# Allegro board A523-EVB-AXP717C-LPDDR4-4X-32X1-V1-0.brd (continued)
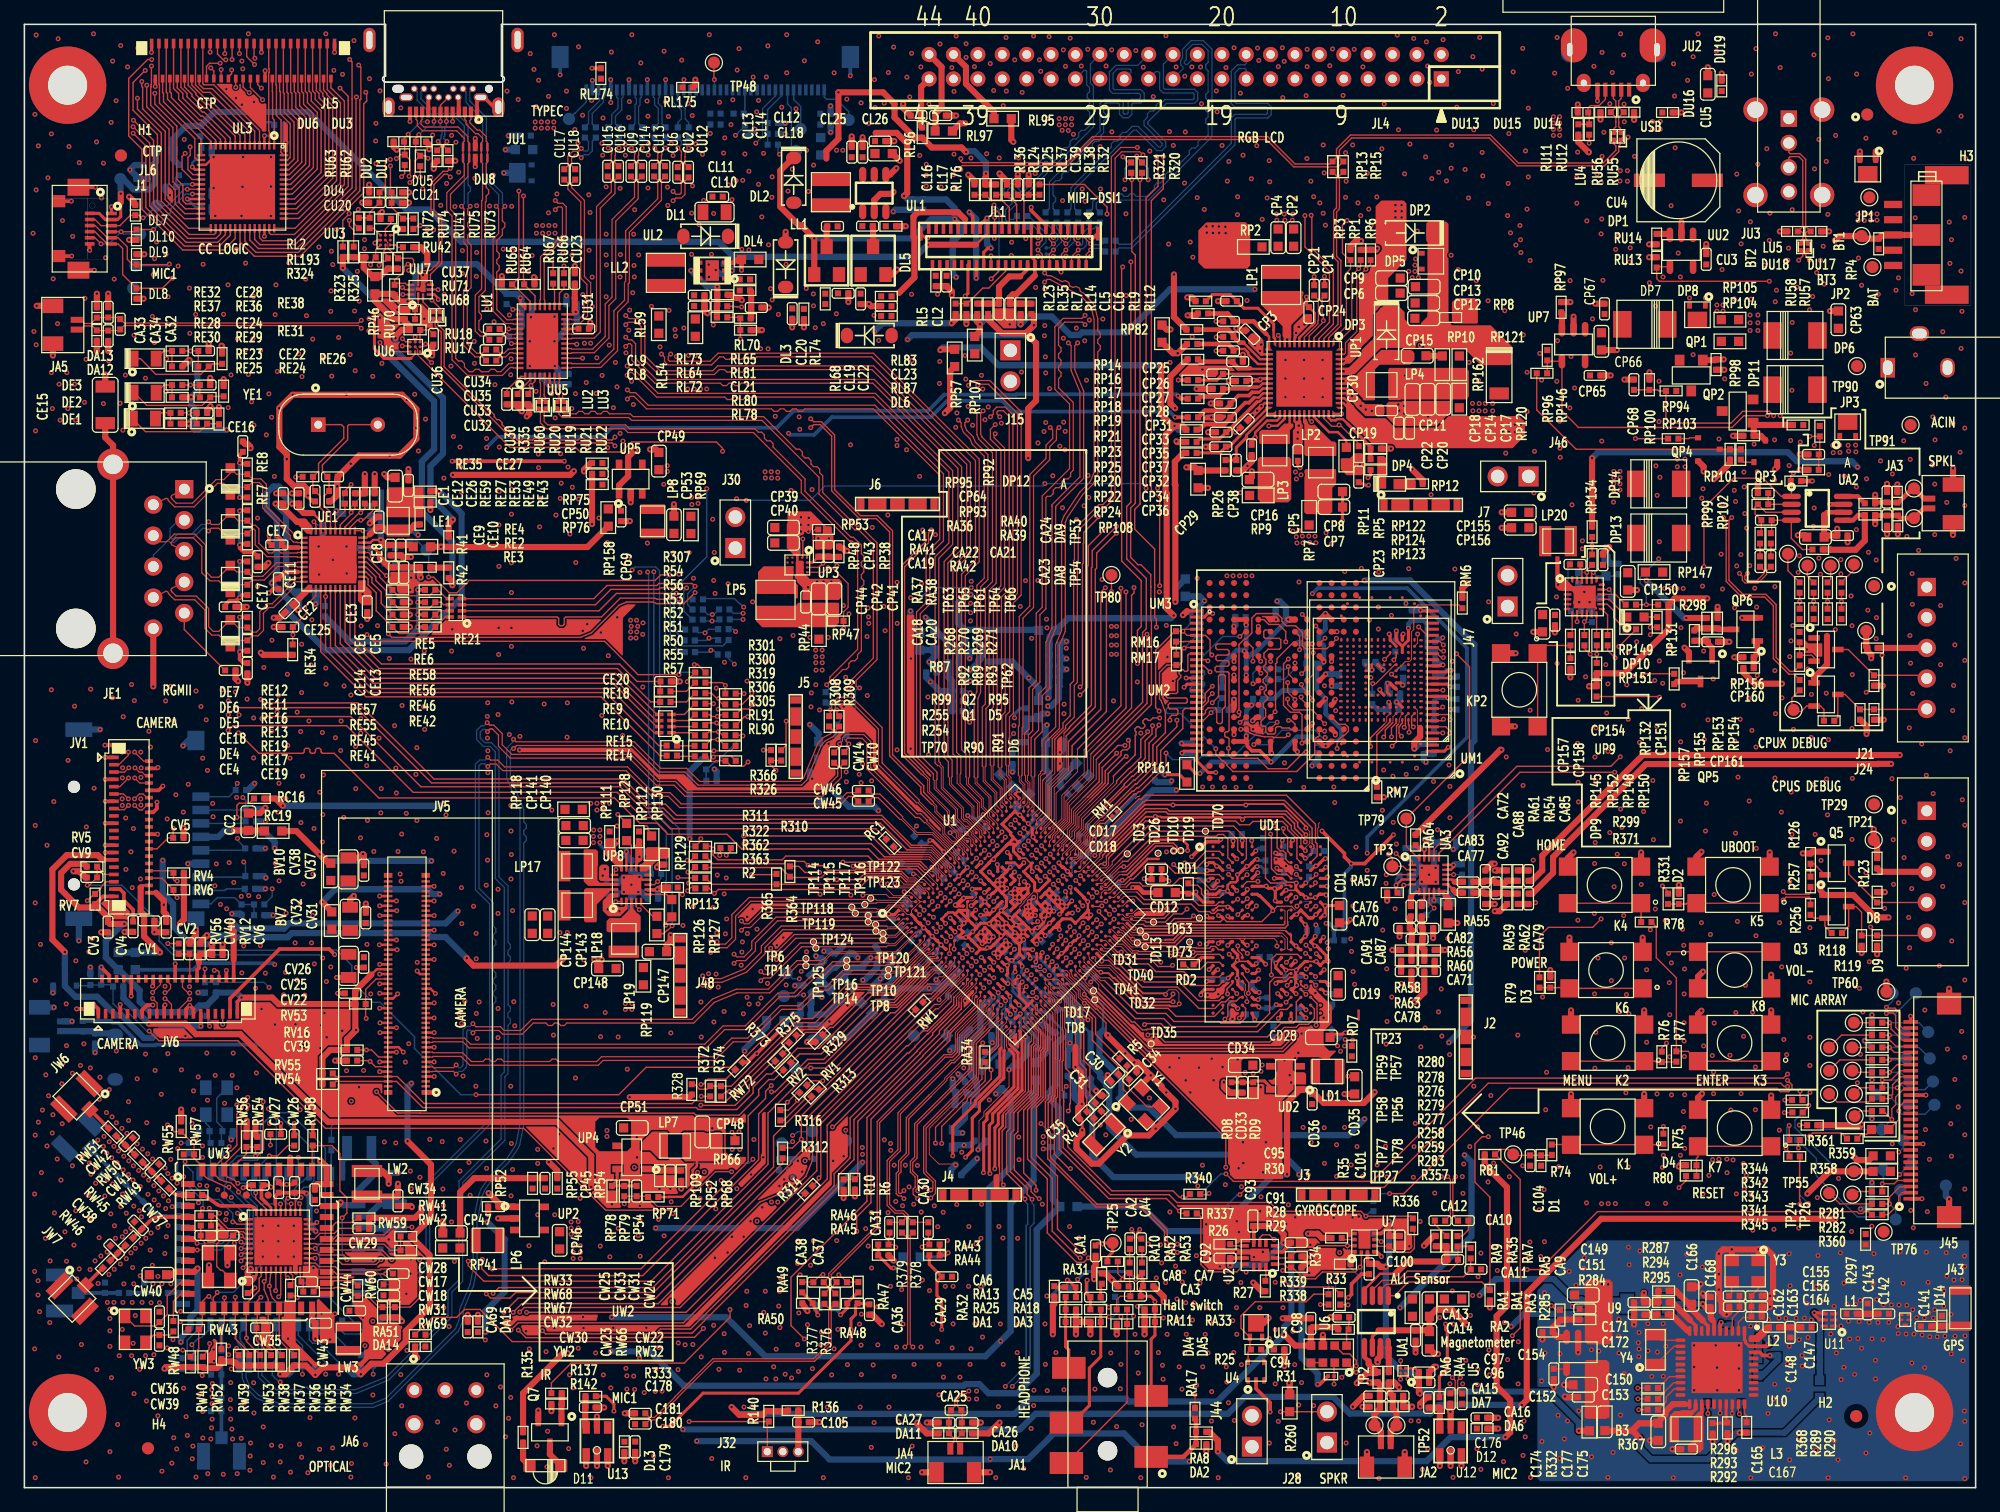
[diagram p0: board, top side]
## Routing (per net, layer and track width the routed paths; a pad name or vN(x,y) marks a point on that pad's centre or on a via; arc(x,y) is an arc through that point) (continued)
VBAT: length 12.3
  TOP w0.203: UP1.41 108.15,88.94 108.65,88.45 ; UP1.42 108.22,89.34 108.94,88.63 108.94,88.56
  BOTTOM w0.508: v1(119.32,15.76) 120.67,17.11 125.41,17.11 127.09,15.43 127.69,15.43 R370.2
  vias: v1(53.35,94.97) v1(53.39,94.43) v1(118.76,15.76) v1(121.17,87.19) v1(121.21,86.58) v1(121.71,87.18) v1(121.72,86.58) v1(122.22,87.18) v1(122.23,86.58) v1(122.73,87.19) v1(122.74,86.58) v1(150.36,104.42) v1(150.36,103.92) v1(150.87,104.42) v1(150.87,103.92) v1(151.4,104.45) v1(151.4,103.94) v1(151.91,104.45) v1(151.91,103.94)
VBUS: length 20.6
  TOP w0.203: 108.5,92.47 108.18,92.14 107.83,92.14 UP1.49 ; 108.38,92.6 108.33,92.54 UP1.50
  TOP w0.508: RP12.1 114.66,82.63 v1(113.78,83.51)
  L4 w0.508: v1(113.78,83.51) 113.78,86.8 114,87.02 114,92.2 112.74,93.46 112.74,99.24 v1(111.8,100.17)
  vias: v1(112.42,105.18) v1(112.42,104.67) v1(112.42,104.17) v1(112.93,105.18) v1(112.93,104.67) v1(112.93,104.17) v1(141.5,96.16) v1(141.5,95.53) v1(141.5,94.89) v1(142.14,96.16) v1(142.14,95.53) v1(142.14,94.89)
VCC33-18-USB: length 21.6
  TOP w0.254: v1(79.78,51.09) 79.81,51.05 U1.H18
  L4 w0.203: 78.5,54.07 78.5,53.3 79.86,51.94 79.86,51.18 v1(79.78,51.09)
  L4 w0.508: 78.5,54.07 78.09,54.47 78.09,55.69 78.3,55.9 78.3,63.43 78.82,63.95 78.82,66.29 78.07,67.04 v1(77.51,67.04)
  BOTTOM w0.508: R266.1 78.58,68.92 R16.1 78.58,68.27 78.4,68.09 78.4,67.94 C139.1 78.21,67.68 77.57,67.04 v1(77.51,67.04)
VCC33-18-USB-2: length 21.6
  TOP w0.254: v1(78.44,51.27) 78.44,51.27 U1.E16
  L4 w0.254: v1(78.44,51.27) 78.44,51.27 78.48,51.31 78.48,51.85 76.23,54.1 76.23,55.09
  L4 w0.508: v1(77.56,66.15) 78.11,65.6 78.11,64.94 76.23,63.07 76.23,55.09
  BOTTOM w0.508: R267.2 76.6,68.92 R15.2 76.62,68.51 C140.1 76.62,66.7 77.17,66.15 v1(77.56,66.15)
VCC33-EPHY: length 28.4
  TOP w0.508: RE5.1 v1(34.15,77.16) 34.78,77.16 R41.2 46.17,77.14 RP158.2
  L4 w0.508: v1(23.88,72.47) 25.43,72.47 28.55,75.59 32.59,75.59 v1(34.15,77.16)
  BOTTOM w0.508: RE1.1 23.95,72.54 v1(23.88,72.47)
VCC33-USB: length 27.8
  TOP w0.203: U1.H17 79.15,50.48 v1(79.13,50.48)
  L3 w0.508: v1(77.51,68) 75.63,68 75.35,67.72 v1(74.19,67.72)
  L4 w0.203: 75,54 75,53.82 76.34,52.48 76.63,52.48 78.63,50.48 v1(79.13,50.48)
  L4 w0.508: v1(74.19,67.72) 74.88,67.03 74.88,54.12 75,54
  BOTTOM w0.508: v1(77.51,68) 77.51,68.35 R16.2 ; RP81.2 73.87,68.68 73.89,68.7 RP33.2 74.65,68.17 v1(74.19,67.72) 74.8,67.11 C72.1
VCC-1V8: length 197.7
  TOP w0.508: v1(121.11,60.51) 121.04,60.51 114.07,53.54 RA64.1 ; 82.13,94.68 82.96,93.85 82.96,89.14 82.31,88.5 v1(82.31,84.42) ; 82.13,94.68 80.15,94.68 79.02,95.81 RL14.1 ; 82.13,94.68 v1(82.78,95.33) 82.78,96.04 RL12.1 ; v1(81.09,110.36) 80.92,110.53 RL95.2
  L3 w0.508: v1(115.4,107.35) 111.48,111.28 97.51,111.28 94.11,107.87 86.13,107.87 83.64,110.36 v1(81.09,110.36) 80.36,111.1 76.53,111.1 v1(74.17,113.46) 73.18,112.47 60.97,112.47 v1(59.89,111.4)
  L4 w0.508: v1(115.4,107.35) 116.1,106.66 116.1,97.83 116.98,96.95 116.98,86.76 116.1,85.88 116.1,75.47 121.11,70.45 v1(121.11,60.51) ; v1(72.42,94.16) 72.11,94.46 72.11,102.18 70.66,103.63 70.66,110.77 72.42,112.52 73.23,112.52 v1(74.17,113.46) ; v1(77.6,73.24) 77.59,73.25 77.41,73.25 77.08,73.57 77.08,79.2 v1(82.31,84.42)
  BOTTOM w0.508: RP67.1 83.12,70.35 R266.2 77.17,70.35 R267.1 76.56,70.9 76.56,72.54 77.25,73.24 v1(77.6,73.24) ; v1(72.42,94.16) 72.77,94.51 81.97,94.51 v1(82.78,95.33) ; v1(59.89,111.4) 59.35,110.85 RL177.2
VCC-3V3: length 524.5
  TOP w0.203: v1(45.21,96.42) 45.01,96.22 UU5.20 ; C97.1 114.04,9.78 U5.B1 ; v1(40.68,97.56) 40.68,97.07 40.88,96.87 UU5.28 ; v1(116.94,66.42) 116.74,66.42 116.72,66.4 UM3.37 ; UM1.T10 110.42,66.99 v1(110.49,67.06) UM1.U9 ; v1(111.77,65.95) 111.76,65.94 111.76,65.22 UM1.M6 ; v1(95.27,66.4) UM3.12 ; UU5.6 v1(43.07,90.4) ; 95.34,71.9 UM3.1
  TOP w0.254: v1(97.69,58.65) 97.08,58.65 96.13,59.59 UM3.24 95.06,60.4 v1(94.91,60.24)
  TOP w0.305: v1(111.77,65.95) 111.99,65.95 112.33,65.61 112.37,65.61 UM1.N5 ; 111.91,21.5 111.25,20.84 U7.7 ; 111.91,21.5 R35.2 ; 111.91,21.5 v1(111.91,21.83) ; U7.3 110.13,18.49 C100.1 ; U2.12 103.15,19.33 103.86,20.04 C91.1 ; C92.1 98.88,18.83 U2.5 ; U2.8 100.8,21.38 C93.1
  TOP w0.381: v1(102.27,60.23) 102.18,60.32 UM2.D8 ; v1(100.18,66.63) UM2.J10 ; v1(106.71,66.71) UM2.J4
  TOP w0.508: v1(57.99,6.6) 58.62,5.97 60.53,5.97 60.83,6.27 R140.2 62.56,6.27 R136.2 ; R41.1 34.79,79.04 v1(35.14,79.39) ; CU23.2 45.13,97.57 45.12,97.56 45.12,96.51 v1(45.21,96.42) ; R367.2 v1(127.46,4.66) ; R30.2 107.73,13.06 107.63,13.16 105.61,13.16 C98.1 105.49,11.67 U6.5 104.2,11.65 v1(103.3,12.56) ; v1(30.43,94.26) 30.43,94.44 30.93,94.94 RU68.2 31.61,95.24 31.18,95.66 RU71.1 30.24,95.82 28.74,97.32 RP46.1 30.25,97.9 RU70.2 30.35,97.73 30.8,97.29 v1(31.42,97.29) ; UM2.P6 103.76,71.19 103.76,71.19 v1(103.63,71.19) ; RA55.1 v1(117.5,46.31) ; C93.1 102.6,21.44 103.25,20.79 v1(103.25,20.09) C91.1 ; v1(44.55,11.02) 44.17,11.02 40.89,7.74 R135.2 ; v1(114.42,7.72) 114.35,7.8 114.35,8.58 C96.1 C97.1 ; v1(33.03,100.33) 33.03,101.2 32.51,101.72 RU42.2 ; TP62.1 151.03,68.94 R95.1 151.11,68.62 151.44,68.3 v1(151.44,68.01) ; v1(146.19,24.1) 148.02,25.93 TP55.1 R358.1 ; v1(95,71.55) 95.34,71.9 ; v1(111.63,18.11) 111.19,18.11 110.94,18.36 C100.1 ; v1(151.64,53.99) TP21.1 151.92,52.83 R123.1 ; BV10.2 24.94,51.21 v1(24.21,51.94) 22.3,53.85 RC19.1 ; C92.1 v1(98.88,18.21) ; C101.1 R35.2
  L3 w0.508: v1(146.19,24.1) 145.89,23.8 145.36,23.8 144.44,22.88 136.07,22.88 134.85,24.1 126.82,24.1 124.55,21.83 v1(114.45,21.83) v1(111.91,21.83) 111.9,21.82 110.52,21.82 110.24,21.54 104.7,21.54 v1(103.25,20.09) ; v1(35.14,79.39) 35.81,78.73 35.81,67.61 35.19,67 35.19,53.22 v1(33.38,51.4) 32.87,50.89 32.87,31.14 35.08,28.93 35.08,23.01 44.55,13.54 v1(44.55,11.02) 44.55,10.85 47.94,7.45 49.36,7.45 50.21,6.6 v1(57.99,6.6) ; v1(95,71.55) 95.14,71.55 95.83,70.85 95.83,66.96 v1(95.27,66.4) 95.69,65.97 95.69,61.03 v1(94.91,60.24) ; v1(111.77,65.95) 111.21,66.51 111.15,66.51 110.6,67.06 v1(110.49,67.06) ; v1(106.71,66.71) 105.8,66.71 105.12,67.4 105.12,68.95 103.63,70.44 v1(103.63,71.19)
  L4 w0.381: v1(97.69,58.65) 100.43,58.65 102.01,60.23 v1(102.27,60.23) ; v1(110.49,67.06) 108.42,67.06 108.06,66.71 v1(106.71,66.71)
  L4 w0.508: v1(151.44,68.01) 151.64,67.81 v1(151.64,53.99) 151.64,48.21 149.64,46.22 149.64,27.56 v1(146.19,24.1) ; v1(43.07,90.4) 42.16,91.31 41.05,91.31 40.68,91.68 v1(40.68,97.56) 43.74,97.56 44.88,96.42 v1(45.21,96.42) ; v1(95,71.55) 95,71.71 96.53,73.25 102.16,73.25 v1(102.72,72.69) ; v1(111.77,65.95) 112.23,65.95 112.83,66.55 116.18,66.55 116.31,66.42 v1(116.94,66.42) 117.75,65.61 117.75,49.98 117.5,49.73 v1(117.5,46.31) 117.5,32.08 114.52,29.09 114.52,22.18 114.45,22.11 v1(114.45,21.83)
  BOTTOM w0.381: CM14.1 117.35,66.42 v1(116.94,66.42) ; v1(94.91,60.24) 94.98,60.18 CM13.1 ; v1(100.18,66.63) 100.18,67.92 100.68,68.41 100.85,68.41 v1(103.63,71.19)
  BOTTOM w0.508: v1(57.99,6.6) 58.55,6.05 81.2,6.05 82.45,7.29 90.33,7.29 90.56,7.06 97.8,7.06 v1(103.3,12.56) 103.3,13.18 103.89,13.77 103.89,19.46 v1(103.25,20.09) 101.42,18.26 98.93,18.26 v1(98.88,18.21) ; v1(110.49,67.06) 110.43,67.06 109.93,67.56 CM6.1 ; CU24.2 45.29,96.25 45.21,96.33 v1(45.21,96.42) 45.21,96.51 45.29,96.59 CU25.2 ; v1(102.72,72.69) 102.94,72.69 103.45,72.19 CM10.1 103.45,71.37 v1(103.63,71.19) ; v1(24.21,51.94) 24.75,51.4 v1(33.38,51.4) ; v1(111.91,21.83) 111.91,18.39 v1(111.63,18.11) 111.63,10.83 113.01,9.46 113.68,9.46 114.35,8.79 114.35,7.8 v1(114.42,7.72) 114.57,7.87 124.93,7.87 127.46,5.34 v1(127.46,4.66) ; RU59.1 42.38,91.09 v1(43.07,90.4) 43.15,90.49 CU26.2 CU27.2 ; v1(30.43,94.26) 30.43,93.26 34.33,89.36 34.33,84.8 33.3,83.77 33.3,81.24 v1(35.14,79.39) ; v1(31.42,97.29) 31.85,97.71 RU69.2 32.06,98.54 32.06,99.61 32.78,100.33 v1(33.03,100.33) 37.12,100.33 RU10.1 39.56,97.89 40.35,97.89 v1(40.68,97.56) 40.76,97.48 CU29.2 CU28.2 40.6,95.11 RU61.2 ; CM9.1 107.69,66.71 v1(106.71,66.71) ; v1(111.77,65.95) 111.77,65.32 CM1.1
VCC-5V: length 324.8
  TOP w0.508: v1(24.43,48.01) 25.2,47.24 BV7.2 ; v1(29.32,104.62) 29.2,104.5 RU41.2 ; R359.1 151.24,26.86 150.29,26.86 v1(150.04,27.1) ; RL97.2 76.73,111.89 v1(77.14,111.89)
  L3 w0.508: v1(116.99,108.2) 113.11,112.09 97.31,112.09 93.8,108.58 86.57,108.58 84.08,111.08 81.38,111.08 80.65,111.81 77.21,111.81 v1(77.14,111.89) ; v1(37.96,21.78) 37.9,21.78 37.12,22.56 37.12,29.79 34.77,32.14 34.77,47.96 v1(34.05,48.68) 35.91,50.53 35.91,66.7 36.52,67.32 36.52,86.15 30.47,92.2 v1(29.31,92.2) ; v1(117.58,99.89) v1(139.21,99.89) ; v1(118.57,97.05) 119.96,95.66 123.58,95.66 124.97,94.28 124.97,92.33 v1(127.11,90.18) ; v1(118.09,27.28) 122.29,27.28 122.84,27.83 v1(136.14,27.83) 141.4,27.83 142.69,26.53 149.46,26.53 v1(150.04,27.1)
  L4 w0.508: v1(118.57,97.05) 117.58,98.04 v1(117.58,99.89) 117.58,107.62 v1(116.99,108.2) ; v1(29.32,104.62) 28.42,104.62 26.75,102.95 26.75,98.26 26.22,97.73 26.22,94.76 28.77,92.2 v1(29.31,92.2) ; v1(136.14,27.83) 136.91,28.59 136.91,75.28 135.46,76.73 133.2,76.73 129.24,80.7 128.5,80.7 127.43,81.77 127.43,89.87 v1(127.11,90.18)
  BOTTOM w0.508: v1(24.43,48.01) 25.49,49.07 33.05,49.07 33.45,48.68 v1(34.05,48.68) ; v1(37.8,12.75) 37.8,14.48 39.38,16.06 39.38,20.36 v1(37.96,21.78) ; v1(118.09,27.28) 118.65,26.72 118.65,20.61 v1(112.8,14.76)
  vias: v1(37.8,12.11) v1(113.7,5.48) v1(114.32,5.46)
VCC-CARD-3V3: length 6.5
  TOP w0.508: RC19.2 19.63,53.9 CC2.1 17.21,53.9 v1(17.19,53.88)
  BOTTOM w0.508: DU21.2 18.03,53.86 17.19,53.86 ; 17.19,53.86 16.4,53.86 15.9,53.37 JC1.4 ; 17.19,53.86 v1(17.19,53.88)
VCC-CTP1: length 12.2
  TOP w0.254: 7.9,105.39 7.9,104.25 7.65,103.99 J1.2 6.64,103.99 6.13,104.5 JL6.1
  TOP w0.508: v1(7.9,106.12) 7.9,105.39
  BOTTOM w0.508: v1(7.9,106.12) TP81.1 8.1,107.31 8.94,106.48 CL55.1 DL11.2 10.24,106.48 10.69,106.93 10.69,108.3 CL4.1 10.78,108.7 BL1.2
VCC-DRAML: length 42
  TOP w0.254: v1(101.24,40.61) 100.92,40.61 UD1.W5 ; UD1.AA3 99.22,39.56 v1(99.49,39.29) ; U1.Y16 83.4,45.58 v1(83.72,45.26) ; U1.Y16 U1.Y17 v1(84.06,46.28) U1.Y19 ; U1.Y16 U1.Y15 ; UD1.D5 100.67,50.64 100.96,50.94 v1(101.09,50.94) ; v1(106.71,40.56) 106.41,40.86 UD1.W12 ; v1(83.34,44.92) 83.04,45.22 U1.Y15 ; v1(96.47,40.4) 96.47,40.4 96.47,40.56 96.78,40.86 UD1.W1 ; UD1.F3 99.07,49.3 v1(99.41,48.96) ; UD1.U10 104.81,42.16 105.06,41.91 105.06,41.91 v1(105.09,41.88) ; v1(105.07,49.59) 104.79,49.31 UD1.F10 ; UD1.W8 103.13,40.86 v1(103.5,40.49) ; UD1.AA10 104.71,39.56 v1(105.09,39.18) ; UD1.B10 104.73,51.91 v1(105.03,51.61) ; v1(98.71,41.78) 99.07,42.14 UD1.U3 ; UD1.B5 v1(100.97,52.22) ; UD1.D12 106.44,50.61 v1(106.71,50.88) ; 107.12,37.18 108.08,37.18 108.2,37.3 v1(108.32,37.3) ; v1(101.22,39.42) 101.08,39.56 UD1.AA5 ; U1.Y15 U1.Y14 82.64,44.84 82.92,44.57 v1(83,44.57) ; UD1.D1 v1(96.98,50.61) ; v1(102.69,50.8) 102.88,50.61 UD1.D8 ; UD1.AA8 102.69,39.56 v1(102.65,39.61) ; UD1.B8 102.72,51.91 v1(102.59,52.04) ; UD1.B3 v1(99.41,51.57)
  L3 w0.076: 98.93,50.62 98.92,50.61 98.43,50.61 ; 103.76,40.84 103.17,40.84 ; 104.52,50.62 103.91,50.62 ; 103.68,40.11 103.63,40.16 103.07,40.16 103.02,40.11 ; 100.48,40.16 100.43,40.21 100.08,40.21 ; 100.48,48.01 100.46,47.98 100,47.98 99.97,48.01 ; 105.31,40.77 104.7,40.77 ; 105.26,44.15 104.62,44.15
  BOTTOM w0.254: v1(105.07,49.59) 105.33,49.85 CD25.1 ; v1(105.09,39.18) 104.97,39.31 CD21.1 ; v1(106.71,40.56) 106.79,40.48 CD8.1 ; v1(101.24,40.61) 100.64,41.22 CD20.1 ; CD32.1 87.82,41.85 v1(87.43,41.46) ; v1(102.65,39.61) 102.37,39.33 CD24.1 101.31,39.33 v1(101.22,39.42) ; CD22.1 105.11,51.61 v1(105.03,51.61) ; v1(100.97,52.22) 101.18,52.42 RD3.2 ; CD23.1 99.04,39.74 v1(99.49,39.29) ; CD9.1 101.4,50.94 v1(101.09,50.94) ; v1(102.59,52.04) 102.94,52.04 RD4.2 ; CD11.1 98.59,41.66 v1(98.71,41.78) ; v1(96.98,50.61) 96.92,50.67 CD10.1 ; CD31.1 v1(105.09,41.88)
  BOTTOM w0.508: v1(94.46,57.2) 92.56,57.2 87.73,52.37 87.55,52.37 87.01,51.83 RD5.2
  vias: v1(107.68,36.23) v1(107.92,35.78) v1(108.25,36.22) v1(108.3,36.75) v1(108.89,37.26) v1(108.9,36.69)
VCC-LCD: length 127.6
  TOP w0.508: RP107.2 78.35,94.84 v1(78.35,95.41) 78.13,95.63 RL7.1 ; RL78.2 60.46,94.92 v1(60.46,94.93) ; UL1.4 70.99,107.69 v1(71.5,108.2) ; 65.76,108.99 65.76,109.63 66.75,110.62 v1(66.75,114.43) 70.41,114.43 71.35,113.49 71.35,112.37 73.02,110.7 RL96.1 74.4,109.91 76.83,109.91 v1(77.22,109.52) ; RL23.2 76.35,95.82 v1(76.02,95.49) ; v1(78.84,107.77) 78.84,107.47 78.79,107.42 RL24.2 RL25.2 ; v1(55.02,115.47) 55.02,115.04 RL175.1 ; RP108.2 v1(97.05,81.99) ; RL9.1 v1(81.69,95.4)
  L3 w0.508: v1(60.46,94.93) 60.88,94.51 69.4,94.51 v1(69.71,94.82) ; v1(64.71,108.46) 71.25,108.46 v1(71.5,108.2) ; v1(56.24,111.05) 59.61,114.43 v1(66.75,114.43)
  L4 w0.508: v1(97.05,81.99) 97.05,83.59 98.35,84.89 98.35,88.34 99.34,89.33 99.34,93.77 101.06,95.49 101.06,98.11 v1(100.89,98.27) ; v1(64.71,108.46) 63.36,107.1 63.36,102.41 60.46,99.52 v1(60.46,94.93)
  BOTTOM w0.508: v1(69.71,94.82) 70.38,95.49 v1(76.02,95.49) 76.54,96.01 77.75,96.01 v1(78.35,95.41) 78.93,95.99 81.1,95.99 81.68,95.4 v1(81.69,95.4) 82.32,96.04 84.25,96.04 85.75,94.54 86.51,94.54 86.72,94.74 90.4,94.74 93.93,98.27 v1(100.89,98.27) ; v1(77.22,109.52) 77.29,109.6 77.9,109.6 78.84,108.66 v1(78.84,107.77)
VCC-PC: length 141.2
  TOP w0.254: v1(113.49,70.48) 113.49,70.48 UM1.AA3 113.49,69.49 UM1.Y4 ; UM3.39 116.07,67.4 116.14,67.47 v1(116.32,67.47) ; v1(111.87,64.41) 111.99,64.29 UM1.K6 ; v1(96.39,58.57) 96.04,58.57 RP161.1 ; UM1.W4 UM1.Y4 ; UM1.Y4 112.49,69.49 UM1.AA5 112.49,70.2 112.5,70.21 v1(112.5,70.26) ; v1(116.74,64.77) 116.61,64.9 UM3.34
  TOP w0.305: v1(102.22,59.51) 101.3,60.43 100.66,60.43 100.28,60.8 100.28,61.06 100.18,61.16 UM2.D10
  TOP w0.381: UM2.P4 106.68,71.69 v1(106.69,71.69) UM2.P3 ; v1(100.18,61.63) UM2.D10 UM2.D11 ; v1(100.18,70.75) UM2.P10 UM2.P11 ; v1(106.56,67.72) 106.56,67.82 UM2.L4 ; UM2.D3 106.83,60.83 v1(106.7,60.83) 106.54,60.83 UM2.D4 ; UM2.G10 100.59,64.19 v1(100.63,64.16) ; v1(100.03,68.6) 100.18,68.45 UM2.L10 ; UM2.G4 v1(106.7,64.7)
  TOP w0.508: RP57.2 75.91,91.56 75.91,88.55 v1(75.47,88.12)
  L3 w0.508: v1(116.32,67.47) 115.73,66.89 115.73,65.15 116.12,64.77 v1(116.74,64.77) ; v1(77.58,72.52) 78.6,72.52 78.97,72.9 93.33,72.9 93.78,73.36 96.11,73.36 v1(96.75,72.72)
  L4 w0.381: v1(106.69,71.69) 111.11,71.69 112.52,70.28 112.72,70.48 v1(113.49,70.48) ; v1(111.87,64.41) 111.87,64.45 112.32,64.89 115.83,64.89 115.95,64.77 v1(116.74,64.77) ; v1(96.75,72.72) 98.22,72.72 v1(100.18,70.75)
  L4 w0.508: v1(100.18,70.75) 100.83,70.1 104.58,70.1 106.17,71.69 v1(106.69,71.69) ; v1(77.58,72.52) 76.75,72.52 76.25,73.03 76.25,80.62 75.47,81.4 v1(75.47,88.12)
  BOTTOM w0.381: v1(116.32,67.47) 116.26,67.53 116.16,67.53 115.66,68.03 CM16.1 ; CM11.1 100.15,70.79 v1(100.18,70.75) 100.18,68.79 100.08,68.68 ; CM15.1 116.84,64.67 v1(116.74,64.77) 116.72,64.79 115.86,64.79 115.6,64.52 RM12.2 ; v1(106.69,71.69) 106.69,70.41 106.15,69.87 106.15,69.46 106.56,69.05 v1(106.56,67.72) 106.42,67.58 CM7.1 105.98,65.43 v1(106.7,64.7) 106.7,63.48 107.99,62.19 107.99,61.52 107.7,61.23 107.1,61.23 v1(106.7,60.83) 106.33,60.83 CM12.1 105.58,61.58 104.36,61.58 102.29,59.51 v1(102.22,59.51) 97.33,59.51 v1(96.39,58.57) ; v1(112.5,70.26) 112.5,69.49 RM9.2 ; RM4.2 100.75,64.28 v1(100.63,64.16) 100.21,63.74 100.21,62.43 100.24,62.4 100.24,61.69 v1(100.18,61.63) ; CM16.1 115.67,68.52 RM11.2 ; CM16.1 115.38,68.52 115,68.9 115,70.86 114.75,71.1 CM8.1 113.49,70.83 v1(113.49,70.48) ; RM14.2 96.42,71.85 96.42,72.38 v1(96.75,72.72) ; RM8.2 110.97,63.79 CM2.1 111.87,63.82 v1(111.87,64.41) ; RM13.2 98.2,67.46 99.42,68.68 100.08,68.68 ; 100.08,68.68 100.03,68.64 v1(100.03,68.6)
  BOTTOM w0.508: RM14.2 96.34,71.68 RM15.2 ; RP29.2 96.37,73.1 v1(96.75,72.72)
VCC-PC-SOC: length 17.8
  TOP w0.254: v1(93.51,58.47) 94.7,58.47 94.78,58.39 94.8,58.39 RP161.2 ; U1.N22 83,50.07 v1(83.31,49.76)
  L4 w0.254: 85.36,51.21 83.89,49.73 83.34,49.73 v1(83.31,49.76)
  L4 w0.508: 85.36,51.21 85.36,51.89 91.94,58.47 v1(93.51,58.47)
  BOTTOM w0.508: C48.1 93.13,58.84 v1(93.51,58.47)
VCC-PE-SOC: length 10.1
  TOP w0.254: U1.J6 76.19,45.66 76.22,45.66 v1(76.31,45.57)
  L3 w0.203: v1(76.31,45.57) 76.35,45.53 76.35,44.99 75.22,43.87
  L3 w0.508: v1(71.63,42.7) 74.05,42.7 75.22,43.87
  BOTTOM w0.305: v1(71.63,42.7) 71.63,42.12 70.76,41.25 C52.1
  BOTTOM w0.508: RP159.2 70.51,40.57 70.55,40.62 70.55,40.93 70.55,40.93 C52.1
VCC-PG: length 31.2
  TOP w0.203: v1(77.7,44.09) 77.34,44.45 U1.N6
  TOP w0.305: RW72.2 59.26,34.87 59.98,35.6 v1(60.05,35.6) v1(61.95,37.5)
  L4 w0.203: 73.97,40.01 76.53,42.57 76.86,42.57 77.7,43.41 v1(77.7,44.09)
  L4 w0.508: v1(60.05,35.6) 62.99,32.65 66.43,32.65 73.79,40.01 73.97,40.01
  BOTTOM w0.305: v1(61.95,37.5) 62.1,37.65 62.1,38.12 RP27.2 62.84,38.3 63.24,37.9 C54.1
VCC-PK: length 12.8
  TOP w0.254: U1.J7 76.28,46.35 v1(75.91,46.71)
  L3 w0.254: 72.53,45.45 74.07,45.45 75.33,46.71 v1(75.91,46.71)
  L3 w0.305: v1(69.39,43.46) 71.39,45.45 72.53,45.45
  BOTTOM w0.508: RP40.2 67.86,41.01 67.08,41.8 67.08,41.84 RP106.2 67.1,41.86 67.88,42.65 C57.1 68.72,42.79 v1(69.39,43.46)
VCC-PL-SOC: length 9.6
  TOP w0.254: U1.AA9 81.23,42.31 v1(81.23,42.31)
  BOTTOM w0.254: v1(81.23,42.31) 81.05,42.13 81.05,40.71 82.54,39.23 82.54,38.14 C59.1
  BOTTOM w0.508: RP160.1 83.74,35.63 83.74,36.53 C59.1
VCC-PLL: length 54.4
  TOP w0.203: U1.AB13 83,43.19 v1(82.93,43.12)
  TOP w0.508: R260.2 103.75,8.52 v1(103.71,8.57)
  L4 w0.508: v1(103.71,8.57) 105.72,10.57 105.72,15.25 106.21,15.74 106.21,22.16 104.52,23.85 v1(104.52,25.68)
  BOTTOM w0.203: v1(82.93,43.12) 82.9,43.09 82.9,42.58 84.48,41 85.16,41 85.91,40.25 85.91,40.2 86.75,39.35 86.75,37.91 87.43,37.24
  BOTTOM w0.508: v1(104.52,25.68) 104.52,26 103.22,27.3 91.18,27.3 88.94,29.55 RP83.2 88.6,33.27 88.59,33.27 88.22,33.65 88.22,33.98 C21.1 87.51,34.68 87.51,34.96 87.43,35.04 87.43,37.23 87.43,37.24
VCC-PM: length 94.3
  TOP w0.254: v1(81.52,41.89) 81.23,41.6 U1.AC7
  TOP w0.508: v1(30.96,13.64) 30.65,13.95 RW69.2 RW31.2
  L4 w0.508: v1(48.08,11.18) 47.22,12.04 41.02,12.04 40.54,11.55 33.91,11.55 31.82,13.64 v1(30.96,13.64)
  BOTTOM w0.203: C60.1 85.14,37.53 85.14,36.91
  BOTTOM w0.254: C60.1 83.66,39.01 83.24,39.01 81.41,40.84 81.41,41.78 v1(81.52,41.89)
  BOTTOM w0.508: 85.14,36.91 84.56,36.33 84.56,32.97 84.17,32.59 RP125.2 84.17,31.78 84.81,31.14 84.81,27.47 84.34,26.99 84.34,23.61 RP31.2 83.01,21.15 83.01,9.34 81.41,7.74 79.05,7.74 78.31,8.48 77.16,8.48 77.03,8.36 54.08,8.36 51.26,11.18 v1(48.08,11.18)
VCC-RTC: length 212.3
  TOP w0.254: U1.AA10 81.76,42.93 v1(81.81,42.75)
  TOP w0.508: v1(109.61,102.23) 109.17,102.23 108.74,101.8 RP3.1 ; RP129.1 52.08,51.09 v1(51.86,50.87)
  L3 w0.508: v1(115.9,28.06) 114.98,27.14 114.92,27.14 114.81,27.03 107.25,27.03 106.86,27.42 98.37,27.42 v1(96.42,25.47) 95.82,25.47 94.39,24.03 84.61,24.03 82.3,26.34 80.52,26.34 80.15,26.7 78.7,26.7 77.9,25.91 76.02,25.91 75.33,26.6 75.32,26.6 75.25,26.68 73.8,26.68 73.38,27.1 70.76,27.1 70.33,26.68 v1(68.72,26.68) ; v1(51.77,21.28) 51.2,21.85 51.2,25.03 51.34,25.16 51.34,46.18 52.53,47.37 52.53,50.21 v1(51.86,50.87)
  L4 w0.508: v1(115.9,28.06) 118.24,30.4 118.24,49.46 118.46,49.68 118.46,49.74 118.46,49.74 118.46,69.32 116.08,71.7 115.5,71.7 109.51,77.69 v1(109.51,83.89) 109.51,87.94 108.31,89.15 108.31,100.93 v1(109.61,102.23)
  BOTTOM w0.254: 85.01,40.53 C20.1 83.39,40.61 83.39,40.62 81.76,42.25 v1(81.81,42.75)
  BOTTOM w0.508: v1(68.72,26.68) 63.33,21.28 v1(51.77,21.28) ; v1(96.42,25.47) 89.3,25.47 87.57,27.2 87.57,31.86 86.72,32.71 86.72,33.7 86.74,33.72 86.74,34.72 86.44,35.03 86.44,37.15 86.31,37.28 86.31,39.18 85.47,40.02 85.47,40.07 85.01,40.53
VCC-WIFI-PWREN: length 157.1
  TOP w0.508: v1(148.5,22.05) 129.29,22.05 123.19,15.95 123.19,7.19 v1(122.78,6.78) ; v1(150.66,29.78) 150.48,29.61 149.72,29.61 149.6,29.73 R343.1 ; v1(38.06,24.16) 38.87,23.34 RP52.2 40.19,23.05 UP2.1
  L4 w0.508: v1(148.5,22.05) 150.66,24.2 v1(150.66,29.78) ; v1(54,4.78) 53.21,5.56 53.21,9.25 49.75,12.71 49.75,23.51 47.25,26.01 40.9,26.01 39.05,24.16 v1(38.06,24.16)
  BOTTOM w0.508: v1(54,4.78) 81.63,4.78 82.91,6.06 98.7,6.06 100.08,7.44 107.32,7.44 108.69,6.07 115.3,6.07 116.01,6.78 v1(122.78,6.78)
VDD09-USB: length 19
  TOP w0.254: v1(78.41,49.76) 78.71,49.46 U1.H15
  L4 w0.203: v1(78.41,49.76) 78.37,49.72 77.61,49.72 76.26,51.07 75.29,51.07 74.21,52.16
  L4 w0.508: 74.21,52.16 73.4,52.16 v1(70.03,55.52)
  BOTTOM w0.508: v1(70.03,55.52) 69.7,55.85 67.59,55.85 65.8,57.65 RP49.2 65.32,58.65 C74.1 65.13,58.84 RP30.2
VDD-CPUBFB: length 77.5
  TOP w0.102: UP3.A4 65.52,75.07 v1(65.89,75.44) 66.24,75.44 67.54,74.14 67.54,72.19 67.17,71.82 RP47.1 67.17,70.47 v1(67.18,70.47) ; U1.M19 v1(81.58,50.12)
  TOP w0.114: UP8.1 48.55,48.06 48.54,48.06 v1(48.49,48.06) ; v1(48.51,50.69) 48.38,50.56 UP8.16
  L3 w0.102: v1(67.18,70.47) 69.15,70.47 79.35,60.27 79.35,53.87 80.24,52.98 80.24,51.89 80.49,51.64 80.49,50.62 81.03,50.09 81.56,50.09 v1(81.58,50.12) ; v1(48.49,48.06) 48.51,48.07 v1(48.51,50.69) 48.51,51.44 47.78,52.17 47.78,53.27 48.4,53.9 48.74,53.9 49.43,54.59 49.43,66.68 57.28,74.53 57.3,74.53 57.67,74.89 59.42,74.89 60.31,75.78 64.94,75.78 65.28,75.44 v1(65.89,75.44)
VDD-CPULFB: length 73.6
  TOP w0.102: v1(83.09,46.43) 82.94,46.28 U1.V16 ; UP1.12 102.95,94.37 v1(102.82,94.5)
  L3 w0.102: v1(83.09,46.43) 83.09,46.59 83.72,47.22 83.72,49.3 86.33,51.9 87,53.52 91.18,57.71 91.18,62.66 92.24,63.71 92.24,68.1 91.2,69.14 91.2,70.81 90.72,71.28 83.87,71.28 v1(83.81,71.22) ; v1(84.91,85.4) 85.43,85.93 88.7,85.93 95.64,92.88 98.69,92.88 100.31,94.5 v1(102.82,94.5)
  L4 w0.102: v1(83.81,71.22) 84.02,71.43 84.02,81.56 84.91,82.44 v1(84.91,85.4)
VDD-DE: length 18.8
  TOP w0.254: v1(81.19,50.49) U1.K19 U1.L19 U1.L18
  L3 w0.305: v1(81.19,50.49) 81.27,50.57 81.27,51.97 81.17,52.08 81.17,53.94 82.37,55.14
  L3 w0.508: 82.37,55.14 82.37,62.15 83.69,63.47 v1(83.9,63.47)
  BOTTOM w0.508: RP43.2 82.09,63.05 C37.1 83.08,63.06 C36.1 83.49,63.47 v1(83.9,63.47)
VDD-DNRFB: length 84.9
  TOP w0.102: v1(49.19,23.28) RP79.2 CP54.2 51.07,23.9 RP71.1 51.9,23.06 53.82,23.06 56.67,25.91 v1(57.99,25.91) ; v1(81.18,44.15) 81.18,44.11 U1.W10 ; v1(50.42,47.4) 50.16,47.65 UP8.4
  L3 w0.102: v1(49.19,23.28) 47.41,25.05 47.41,36.36 48.34,37.28 48.34,45.31 v1(50.42,47.4) ; v1(81.18,44.15) 81.18,43.92 83.85,41.25 83.85,39.38 82.43,37.97 82.43,34.37 79.36,31.29 79.33,31.29 79.33,31.29 78.91,31.29 78.5,31.7 73.2,31.7 70.86,34.04 58.87,34.04 57.23,32.41 57.23,26.66 v1(57.99,25.91)